# KiCad board TRX055.01.01.PB.00.00.kicad_pcb (continued)
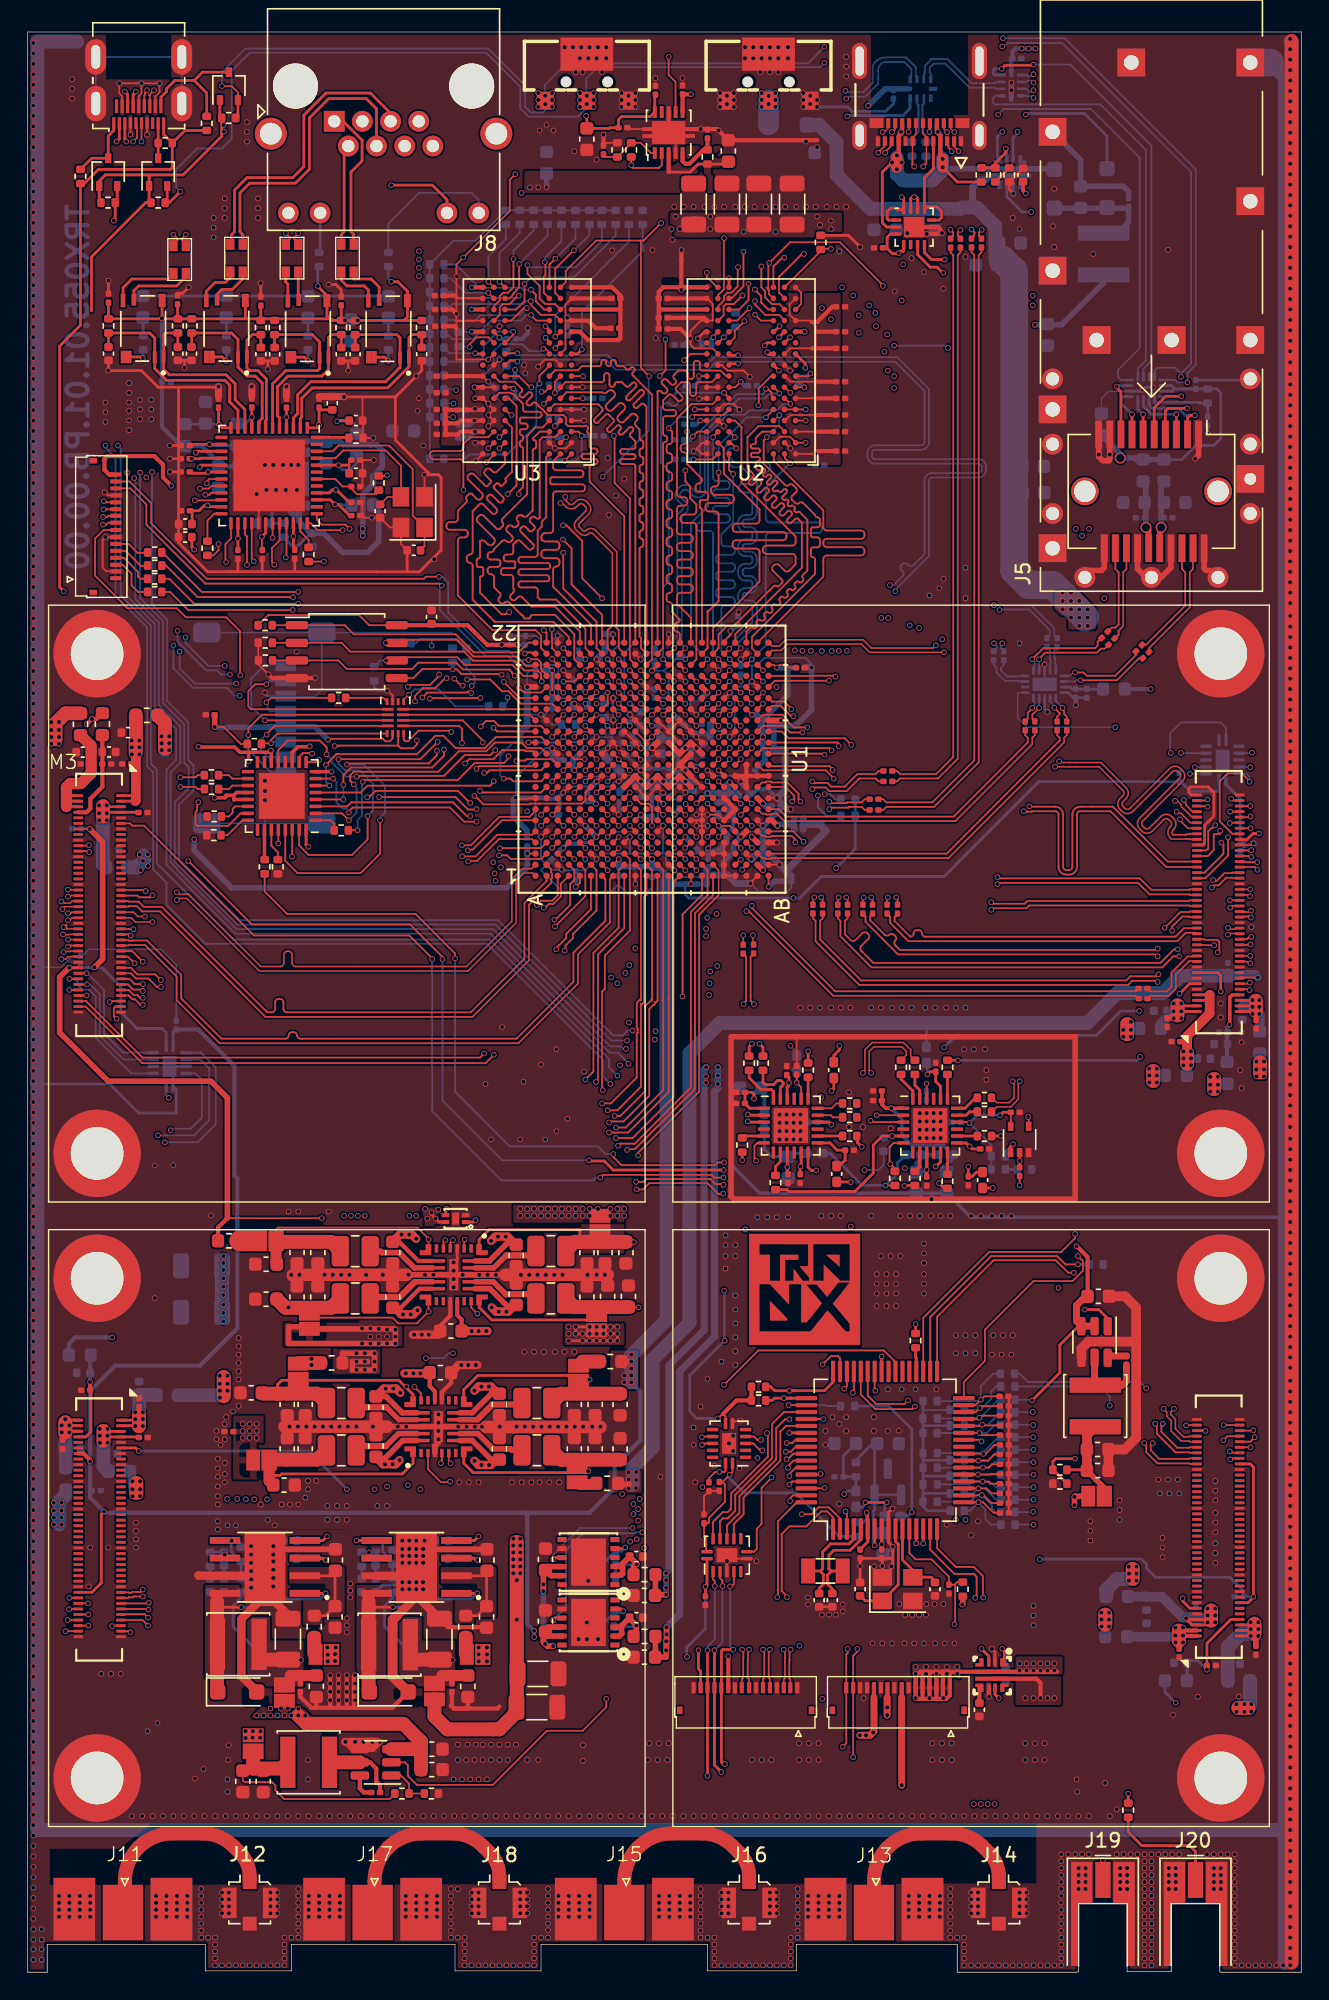
[diagram p0: board, top side]
## Library data of the parts (continued)
U18 = -: Datasheet: http://www.ti.com/lit/ds/symlink/tl431.pdf; Description: Shunt Regulator, SOT-23; LCSC: C22392283; ki_fp_filters: SOT?23*
U19 U23 U32 U33 = -: Datasheet: https://www.ti.com/lit/ds/symlink/txu0304-q1.pdf?ts=1759159308767; Description: utomotive 4-Bit Noninverting Fixed Direction Voltage-Level Translator with Schmitt- Trigger Inputs and 3-State Outputs, 3 in 1 out, Vcca = 1.08 -5.5, Vccb = 1.08 -5.5, WQFN-14; Mfr: Texas Instruments; Mfr part: TXU0304QWBQARQ1; JLCPCB Part #: C5217873; ki_fp_filters: SOIC*3.9x4.9mm*P1.27mm*
U21 U30 = -: Datasheet: https://www.diodes.com/assets/Datasheets/AP63200-AP63201-AP63203-AP63205.pdf; Description: 2A, 1.1MHz Buck DC/DC Converter, fixed 3.3V output voltage, TSOT-23-6; LCSC: C780769; ki_fp_filters: TSOT?23*
U22 = -: Datasheet: https://www.ti.com/cn/lit/gpn/tca6408a; Description: Interface:I2C；SMBus Number of I/O:8 Interrupt Output:Interrupt Output Output Type:Push-Pull Voltage - Supply:1.65V~5.5V Voltage - Supply:1.65V~5.5V Current - Output Low(IOL):- Current - Output High(IOH):- Clock Frequency:400kHz Operating Temperature:-40°C~; Manufacturer: TI(德州仪器); Supplier Part: C2649390; Supplier: LCSC; LCSC Part Name: TCA6408A具有中断输出、复位和配置寄存器的低电压8位I2C和SMBuSI/O扩展器; LCSC: C2649390
U24 = -: Datasheet: https://atta.szlcsc.com/upload/public/pdf/source/20171211/C145494_15129763470501175307.pdf; Manufacturer: VISHAY(威世); Supplier Part: C145277; Supplier: LCSC; LCSC: C145277
U25 = -: Datasheet: http://www.onsemi.com/pub/Collateral/FUSB302B-D.PDF; Description: Programmable USB Type-C Controller w/PD, I2C address 0x22, WQFN-14; LCSC: C132291; ki_fp_filters: WQFN*1EP*2.5x2.5mm*P0.5mm*
U26 = -: Datasheet: https://atta.szlcsc.com/upload/public/pdf/source/20230915/7D8D694BB252E313DA79EEEC80F7A80F.pdf; Description: Applications Function:- Protocol:USB 3.1；DP 1.3 Number of Channels:2 Voltage - Supply:1.5V~5V Voltage - Supply:1.5V~5V Data Rate:10Gbps Operating Temperature:-40°C~+85°C Operating Temperature:-40°C~+85°C; Manufacturer: onsemi(安森美); Supplier Part: C478457; Supplier: LCSC; LCSC Part Name: USB 3.1 SuperSpeed 10 Gbps 开关; LCSC: C478457
U27 U29 = -: Datasheet: https://www.ti.com/cn/lit/gpn/lm7310; Manufacturer: TI; Supplier Part: C3210761; Supplier: LCSC; LCSC Part Name: 具有输入反极性保护和过压保护功能的集成式理想二极管; LCSC: C3210761
U28 = -: Datasheet: https://www.ti.com/lit/ds/symlink/sn74lvc1g125.pdf; Description: Single Buffer Gate Tri-State, Low-Voltage CMOS; JLCPCB Part #: C7833; ki_fp_filters: SOT?23* Texas?R-PDSO-G5?DCK* Texas?R-PDSO-N5?DRL* Texas?X2SON*0.8x0.8mm*P0.48mm*
Y1 Y2 = -: Description: Four pin crystal, GND on pins 2 and 4; JLCPCB Part #: C9006; LCSC: C9006; ki_fp_filters: Crystal*
Y3 = -: Description: Two pin crystal, small symbol; JLCPCB Part #: C5213671; LCSC: C5213671; ki_fp_filters: Crystal*

## Footprints (pads in the part's own frame, mm; a bottom-side part is the same pattern mirrored in y, then rotated)
BAT-SMD_GT-BTP30003-0500A-016A-1
  rect 1.2x1.3 smd: 1(-3,1.675) 2(0,1.675) 3(3,1.675)
  rect 3.8x2.4 smd: 4(0,-1.675)
BGA-96_9.0x13.0mm_Layout2x3x16_P0.8mm
  round 0.4 smd: A1(-3.2,6) A2(-2.4,6) A3(-1.6,6) A7(1.6,6) A8(2.4,6) A9(3.2,6) B1(-3.2,5.2) B2(-2.4,5.2) B3(-1.6,5.2) B7(1.6,5.2) B8(2.4,5.2) B9(3.2,5.2) C1(-3.2,4.4) C2(-2.4,4.4) C3(-1.6,4.4) C7(1.6,4.4) C8(2.4,4.4) C9(3.2,4.4) D1(-3.2,3.6) D2(-2.4,3.6) D3(-1.6,3.6) D7(1.6,3.6) D8(2.4,3.6) D9(3.2,3.6) E1(-3.2,2.8) E2(-2.4,2.8) E3(-1.6,2.8) E7(1.6,2.8) E8(2.4,2.8) E9(3.2,2.8) F1(-3.2,2) F2(-2.4,2) F3(-1.6,2) F7(1.6,2) F8(2.4,2) F9(3.2,2) G1(-3.2,1.2) G2(-2.4,1.2) G3(-1.6,1.2) G7(1.6,1.2) G8(2.4,1.2) G9(3.2,1.2) H1(-3.2,0.4) H2(-2.4,0.4) H3(-1.6,0.4) H7(1.6,0.4) H8(2.4,0.4) H9(3.2,0.4) J1(-3.2,-0.4) J2(-2.4,-0.4) J3(-1.6,-0.4) J7(1.6,-0.4) J8(2.4,-0.4) J9(3.2,-0.4) K1(-3.2,-1.2) K2(-2.4,-1.2) K3(-1.6,-1.2) K7(1.6,-1.2) K8(2.4,-1.2) K9(3.2,-1.2) L1(-3.2,-2) L2(-2.4,-2) L3(-1.6,-2) L7(1.6,-2) L8(2.4,-2) L9(3.2,-2) M1(-3.2,-2.8) M2(-2.4,-2.8) M3(-1.6,-2.8) M7(1.6,-2.8) M8(2.4,-2.8) M9(3.2,-2.8) N1(-3.2,-3.6) N2(-2.4,-3.6) N3(-1.6,-3.6) N7(1.6,-3.6) N8(2.4,-3.6) N9(3.2,-3.6) P1(-3.2,-4.4) P2(-2.4,-4.4) P3(-1.6,-4.4) P7(1.6,-4.4) P8(2.4,-4.4) P9(3.2,-4.4) R1(-3.2,-5.2) R2(-2.4,-5.2) R3(-1.6,-5.2) R7(1.6,-5.2) R8(2.4,-5.2) R9(3.2,-5.2) T1(-3.2,-6) T2(-2.4,-6) T3(-1.6,-6) T7(1.6,-6) T8(2.4,-6) T9(3.2,-6)
C_0201_0603Metric
  rrect 0.318x0.36 smd: (-0.345,0) (0.345,0)
  rrect 0.46x0.4 smd: 1(-0.32,0) 2(0.32,0)
C_0402_1005Metric
  rrect 0.56x0.62 smd: 1(-0.48,0) 2(0.48,0)
C_0603_1608Metric
  rrect 0.9x0.95 smd: 1(-0.775,0) 2(0.775,0)
C_1206_3216Metric
  rrect 1.15x1.8 smd: 1(-1.475,0) 2(1.475,0)
CLG485XC7Z012S&slash_XC7Z015_AMD
  round 0.457 smd: A1(-8.4,8.4) A2(-7.6,8.4) A3(-6.8,8.4) A4(-6,8.4) A5(-5.2,8.4) A6(-4.4,8.4) A7(-3.6,8.4) A8(-2.8,8.4) A9(-2,8.4) A10(-1.2,8.4) A11(-0.4,8.4) A12(0.4,8.4) A13(1.2,8.4) A14(2,8.4) A15(2.8,8.4) A16(3.6,8.4) A17(4.4,8.4) A18(5.2,8.4) A19(6,8.4) A20(6.8,8.4) A21(7.6,8.4) A22(8.4,8.4) AA1(-8.4,-7.6) AA2(-7.6,-7.6) AA3(-6.8,-7.6) AA4(-6,-7.6) AA5(-5.2,-7.6) AA6(-4.4,-7.6) AA7(-3.6,-7.6) AA8(-2.8,-7.6) AA9(-2,-7.6) AA10(-1.2,-7.6) AA11(-0.4,-7.6) AA12(0.4,-7.6) AA13(1.2,-7.6) AA14(2,-7.6) AA15(2.8,-7.6) AA16(3.6,-7.6) AA17(4.4,-7.6) AA18(5.2,-7.6) AA19(6,-7.6) AA20(6.8,-7.6) AA21(7.6,-7.6) AA22(8.4,-7.6) AB1(-8.4,-8.4) AB2(-7.6,-8.4) AB3(-6.8,-8.4) AB4(-6,-8.4) AB5(-5.2,-8.4) AB6(-4.4,-8.4) AB7(-3.6,-8.4) AB8(-2.8,-8.4) AB9(-2,-8.4) AB10(-1.2,-8.4) AB11(-0.4,-8.4) AB12(0.4,-8.4) AB13(1.2,-8.4) AB14(2,-8.4) AB15(2.8,-8.4) AB16(3.6,-8.4) AB17(4.4,-8.4) AB18(5.2,-8.4) AB19(6,-8.4) AB20(6.8,-8.4) AB21(7.6,-8.4) AB22(8.4,-8.4) B1(-8.4,7.6) B2(-7.6,7.6) B3(-6.8,7.6) B4(-6,7.6) B5(-5.2,7.6) B6(-4.4,7.6) B7(-3.6,7.6) B8(-2.8,7.6) B9(-2,7.6) B10(-1.2,7.6) B11(-0.4,7.6) B12(0.4,7.6) B13(1.2,7.6) B14(2,7.6) B15(2.8,7.6) B16(3.6,7.6) B17(4.4,7.6) B18(5.2,7.6) B19(6,7.6) B20(6.8,7.6) B21(7.6,7.6) B22(8.4,7.6) C1(-8.4,6.8) C2(-7.6,6.8) C3(-6.8,6.8) C4(-6,6.8) C5(-5.2,6.8) C6(-4.4,6.8) C7(-3.6,6.8) C8(-2.8,6.8) C9(-2,6.8) C10(-1.2,6.8) C11(-0.4,6.8) C12(0.4,6.8) C13(1.2,6.8) C14(2,6.8) C15(2.8,6.8) C16(3.6,6.8) C17(4.4,6.8) C18(5.2,6.8) C19(6,6.8) C20(6.8,6.8) C21(7.6,6.8) C22(8.4,6.8) D1(-8.4,6) D2(-7.6,6) D3(-6.8,6) D4(-6,6) D5(-5.2,6) D6(-4.4,6) D7(-3.6,6) D8(-2.8,6) D9(-2,6) D10(-1.2,6) D11(-0.4,6) D12(0.4,6) D13(1.2,6) D14(2,6) D15(2.8,6) D16(3.6,6) D17(4.4,6) D18(5.2,6) D19(6,6) D20(6.8,6) D21(7.6,6) D22(8.4,6) E1(-8.4,5.2) E2(-7.6,5.2) E3(-6.8,5.2) E4(-6,5.2) E5(-5.2,5.2) E6(-4.4,5.2) E7(-3.6,5.2) E8(-2.8,5.2) E9(-2,5.2) E10(-1.2,5.2) E11(-0.4,5.2) E12(0.4,5.2) E13(1.2,5.2) E14(2,5.2) E15(2.8,5.2) E16(3.6,5.2) E17(4.4,5.2) E18(5.2,5.2) E19(6,5.2) E20(6.8,5.2) E21(7.6,5.2) E22(8.4,5.2) F1(-8.4,4.4) F2(-7.6,4.4) F3(-6.8,4.4) F4(-6,4.4) F5(-5.2,4.4) F6(-4.4,4.4) F7(-3.6,4.4) F8(-2.8,4.4) F9(-2,4.4) F10(-1.2,4.4) F11(-0.4,4.4) F12(0.4,4.4) F13(1.2,4.4) F14(2,4.4) F15(2.8,4.4) F16(3.6,4.4) F17(4.4,4.4) F18(5.2,4.4) F19(6,4.4) F20(6.8,4.4) F21(7.6,4.4) F22(8.4,4.4) G1(-8.4,3.6) G2(-7.6,3.6) G3(-6.8,3.6) G4(-6,3.6) G5(-5.2,3.6) G6(-4.4,3.6) G7(-3.6,3.6) G8(-2.8,3.6) G9(-2,3.6) G10(-1.2,3.6) G11(-0.4,3.6) G12(0.4,3.6) G13(1.2,3.6) G14(2,3.6) G15(2.8,3.6) G16(3.6,3.6) G17(4.4,3.6) G18(5.2,3.6) G19(6,3.6) G20(6.8,3.6) G21(7.6,3.6) G22(8.4,3.6) H1(-8.4,2.8) H2(-7.6,2.8) H3(-6.8,2.8) H4(-6,2.8) H5(-5.2,2.8) H6(-4.4,2.8) H7(-3.6,2.8) H8(-2.8,2.8) H9(-2,2.8) H10(-1.2,2.8) H11(-0.4,2.8) H12(0.4,2.8) H13(1.2,2.8) H14(2,2.8) H15(2.8,2.8) H16(3.6,2.8) H17(4.4,2.8) H18(5.2,2.8) H19(6,2.8) H20(6.8,2.8) H21(7.6,2.8) H22(8.4,2.8) J1(-8.4,2) J2(-7.6,2) J3(-6.8,2) J4(-6,2) J5(-5.2,2) J6(-4.4,2) J7(-3.6,2) J8(-2.8,2) J9(-2,2) J10(-1.2,2) J11(-0.4,2) J12(0.4,2) J13(1.2,2) J14(2,2) J15(2.8,2) J16(3.6,2) J17(4.4,2) J18(5.2,2) J19(6,2) J20(6.8,2) J21(7.6,2) J22(8.4,2) K1(-8.4,1.2) K2(-7.6,1.2) K3(-6.8,1.2) K4(-6,1.2) K5(-5.2,1.2) K6(-4.4,1.2) K7(-3.6,1.2) K8(-2.8,1.2) K9(-2,1.2) K10(-1.2,1.2) K11(-0.4,1.2) K12(0.4,1.2) K13(1.2,1.2) K14(2,1.2) K15(2.8,1.2) K16(3.6,1.2) K17(4.4,1.2) K18(5.2,1.2) K19(6,1.2) K20(6.8,1.2) K21(7.6,1.2) K22(8.4,1.2) L1(-8.4,0.4) L2(-7.6,0.4) L3(-6.8,0.4) L4(-6,0.4) L5(-5.2,0.4) L6(-4.4,0.4) L7(-3.6,0.4) L8(-2.8,0.4) L9(-2,0.4) L10(-1.2,0.4) L11(-0.4,0.4) L12(0.4,0.4) L13(1.2,0.4) L14(2,0.4) L15(2.8,0.4) L16(3.6,0.4) L17(4.4,0.4) L18(5.2,0.4) L19(6,0.4) L20(6.8,0.4) L21(7.6,0.4) L22(8.4,0.4) M1(-8.4,-0.4) M2(-7.6,-0.4) M3(-6.8,-0.4) M4(-6,-0.4) M5(-5.2,-0.4) M6(-4.4,-0.4) M7(-3.6,-0.4) M8(-2.8,-0.4) M9(-2,-0.4) M10(-1.2,-0.4) M11(-0.4,-0.4) M12(0.4,-0.4) M13(1.2,-0.4) M14(2,-0.4) M15(2.8,-0.4) M16(3.6,-0.4) M17(4.4,-0.4) M18(5.2,-0.4) M19(6,-0.4) M20(6.8,-0.4) M21(7.6,-0.4) M22(8.4,-0.4) N1(-8.4,-1.2) N2(-7.6,-1.2) N3(-6.8,-1.2) N4(-6,-1.2) N5(-5.2,-1.2) N6(-4.4,-1.2) N7(-3.6,-1.2) N8(-2.8,-1.2) N9(-2,-1.2) N10(-1.2,-1.2) N11(-0.4,-1.2) N12(0.4,-1.2) N13(1.2,-1.2) N14(2,-1.2) N15(2.8,-1.2) N16(3.6,-1.2) N17(4.4,-1.2) N18(5.2,-1.2) N19(6,-1.2) N20(6.8,-1.2) N21(7.6,-1.2) N22(8.4,-1.2) P1(-8.4,-2) P2(-7.6,-2) P3(-6.8,-2) P4(-6,-2) P5(-5.2,-2) P6(-4.4,-2) P7(-3.6,-2) P8(-2.8,-2) P9(-2,-2) P10(-1.2,-2) P11(-0.4,-2) P12(0.4,-2) P13(1.2,-2) P14(2,-2) P15(2.8,-2) P16(3.6,-2) P17(4.4,-2) P18(5.2,-2) P19(6,-2) P20(6.8,-2) P21(7.6,-2) P22(8.4,-2) R1(-8.4,-2.8) R2(-7.6,-2.8) R3(-6.8,-2.8) R4(-6,-2.8) R5(-5.2,-2.8) R6(-4.4,-2.8) R7(-3.6,-2.8) R8(-2.8,-2.8) R9(-2,-2.8) R10(-1.2,-2.8) R11(-0.4,-2.8) R12(0.4,-2.8) R13(1.2,-2.8) R14(2,-2.8) R15(2.8,-2.8) R16(3.6,-2.8) R17(4.4,-2.8) R18(5.2,-2.8) R19(6,-2.8) R20(6.8,-2.8) R21(7.6,-2.8) R22(8.4,-2.8) T1(-8.4,-3.6) T2(-7.6,-3.6) T3(-6.8,-3.6) T4(-6,-3.6) T5(-5.2,-3.6) T6(-4.4,-3.6) T7(-3.6,-3.6) T8(-2.8,-3.6) T9(-2,-3.6) T10(-1.2,-3.6) T11(-0.4,-3.6) T12(0.4,-3.6) T13(1.2,-3.6) T14(2,-3.6) T15(2.8,-3.6) T16(3.6,-3.6) T17(4.4,-3.6) T18(5.2,-3.6) T19(6,-3.6) T20(6.8,-3.6) T21(7.6,-3.6) T22(8.4,-3.6) U1(-8.4,-4.4) U2(-7.6,-4.4) U3(-6.8,-4.4) U4(-6,-4.4) U5(-5.2,-4.4) U6(-4.4,-4.4) U7(-3.6,-4.4) U8(-2.8,-4.4) U9(-2,-4.4) U10(-1.2,-4.4) U11(-0.4,-4.4) U12(0.4,-4.4) U13(1.2,-4.4) U14(2,-4.4) U15(2.8,-4.4) U16(3.6,-4.4) U17(4.4,-4.4) U18(5.2,-4.4) U19(6,-4.4) U20(6.8,-4.4) U21(7.6,-4.4) U22(8.4,-4.4) V1(-8.4,-5.2) V2(-7.6,-5.2) V3(-6.8,-5.2) V4(-6,-5.2) V5(-5.2,-5.2) V6(-4.4,-5.2) V7(-3.6,-5.2) V8(-2.8,-5.2) V9(-2,-5.2) V10(-1.2,-5.2) V11(-0.4,-5.2) V12(0.4,-5.2) V13(1.2,-5.2) V14(2,-5.2) V15(2.8,-5.2) V16(3.6,-5.2) V17(4.4,-5.2) V18(5.2,-5.2) V19(6,-5.2) V20(6.8,-5.2) V21(7.6,-5.2) V22(8.4,-5.2) W1(-8.4,-6) W2(-7.6,-6) W3(-6.8,-6) W4(-6,-6) W5(-5.2,-6) W6(-4.4,-6) W7(-3.6,-6) W8(-2.8,-6) W9(-2,-6) W10(-1.2,-6) W11(-0.4,-6) W12(0.4,-6) W13(1.2,-6) W14(2,-6) W15(2.8,-6) W16(3.6,-6) W17(4.4,-6) W18(5.2,-6) W19(6,-6) W20(6.8,-6) W21(7.6,-6) W22(8.4,-6) Y1(-8.4,-6.8) Y2(-7.6,-6.8) Y3(-6.8,-6.8) Y4(-6,-6.8) Y5(-5.2,-6.8) Y6(-4.4,-6.8) Y7(-3.6,-6.8) Y8(-2.8,-6.8) Y9(-2,-6.8) Y10(-1.2,-6.8) Y11(-0.4,-6.8) Y12(0.4,-6.8) Y13(1.2,-6.8) Y14(2,-6.8) Y15(2.8,-6.8) Y16(3.6,-6.8) Y17(4.4,-6.8) Y18(5.2,-6.8) Y19(6,-6.8) Y20(6.8,-6.8) Y21(7.6,-6.8) Y22(8.4,-6.8)
Connector_SFP_and_Cage
  round 2 hole 1.55 unplated: (-6.2,4.8) (-6.2,-4.8)
  rect 2x0.5 smd: 1(-10.3,3.4) 2(-10.3,2.6) 3(-10.3,1.8) 4(-10.3,1) 5(-10.3,0.2) 6(-10.3,-0.6) 7(-10.3,-1.4) 8(-10.3,-2.2) 9(-10.3,-3) 10(-10.3,-3.8) 11(-2.1,-3.4) 12(-2.1,-2.6) 13(-2.1,-1.8) 14(-2.1,-1) 15(-2.1,-0.2) 16(-2.1,0.6) 17(-2.1,1.4) 18(-2.1,2.2) 19(-2.1,3) 20(-2.1,3.8)
  rect 2x2 hole 1.05: CAGE(-37.1,7.125) CAGE(-37.1,-1.45) CAGE(-32.1,-7.125) CAGE(-27.1,7.125) CAGE(-22.1,-7.125) CAGE(-17.1,7.125) CAGE(-17.1,1.45) CAGE(-17.1,-3.95) CAGE(-12.1,-7.125) CAGE(-2.1,-7.125)
  round 1.5 hole 0.95: CAGE(-14.3,7.125) CAGE(-14.3,-7.125) CAGE(-9.6,7.125) CAGE(-9.6,-7.125) CAGE(-4.6,7.125) CAGE(-4.6,-7.125) CAGE(0,4.8) CAGE(0,0) CAGE(0,-4.8)
  rect 2x2 hole 0.85: CAGE(-7.1,7.125)
CONV_TPS54531DDAR
  rect 2.2x0.5 smd: 1(-2.875,1.905) 2(-2.875,0.635) 3(-2.875,-0.635) 4(-2.875,-1.905)
  rrect 2.2x0.5 smd: 5(2.875,-1.905) 6(2.875,-0.635) 7(2.875,0.635) 8(2.875,1.905)
  rect 2.95x4.9 smd: 9(0,0.005)
Crystal_SMD_3215-2Pin_3.2x1.5mm
  rect 1x1.8 smd: 1(1.25,0) 2(-1.25,0)
Crystal_SMD_3225-4Pin_3.2x2.5mm
  rect 1.4x1.2 smd: 1(-1.1,-0.85) 2(1.1,-0.85) 3(1.1,0.85) 4(-1.1,0.85)
D_SOD-123F
  rrect 1.1x1.1 smd: 1(-1.4,0) 2(1.4,0)
DFN-12_L4.0-W4.0-P0.65-BL-EP3.4
  rect 0.364x0.665 smd: 1(-1.625,-1.907) 2(-0.975,-1.907) 3(-0.325,-1.907) 4(0.325,-1.907) 5(0.975,-1.907) 6(1.625,-1.907) 7(1.625,1.907) 8(0.975,1.907) 9(0.325,1.907) 10(-0.325,1.907) 11(-0.975,1.907) 12(-1.625,1.907)
  rect 3.4x2.5 smd: 13(0,0)
DHVQFN-14-1EP_2.5x3mm_P0.5mm_EP1x1.5mm
  rrect 0.81x1.21 smd: (0,0)
  rrect 0.25x0.825 smd: 1(-0.25,1.438) 7(-0.25,-1.438) 8(0.25,-1.438) 14(0.25,1.438)
  rrect 0.825x0.25 smd: 2(-1.188,1) 3(-1.188,0.5) 4(-1.188,0) 5(-1.188,-0.5) 6(-1.188,-1) 9(1.188,-1) 10(1.188,-0.5) 11(1.188,0) 12(1.188,0.5) 13(1.188,1)
  rect 1x1.5 smd: 15(0,0)
EXLA1V04
  rect 1.1x3.7 smd: 1(-1.5,0) 2(1.5,0)
FH34SRJ-16S-0.5SH
  rect 0.3x0.8 smd: 1(3.72,0) 2(3.22,0) 3(2.75,0) 4(2.25,0) 5(1.75,0) 6(1.25,0) 7(0.75,0) 8(0.25,0) 9(-0.28,0) 10(-0.78,0) 11(-1.25,0) 12(-1.75,0) 13(-2.25,0) 14(-2.75,0) 15(-3.25,0) 16(-3.75,0)
  rect 0.4x0.55 smd: MP(-4.75,-1.625) MP(4.75,-1.625)
HDMI_Micro-D_Molex_46765-1x01
  rect 0.23x0.85 smd: 1(1.8,4.775) 3(1.4,4.775) 5(1,4.775) 7(0.6,4.775) 9(0.2,4.775) 11(-0.2,4.775) 13(-0.6,4.775) 15(-1,4.775) 17(-1.4,4.775) 19(-1.8,4.775)
  rect 0.23x1 smd: 2(1.6,3.55) 4(1.2,3.55) 6(0.8,3.55) 8(0.4,3.55) 10(0,3.55) 12(-0.4,3.55) 14(-0.8,3.55) 16(-1.2,3.55) 18(-1.6,3.55)
  oval 1.5x2.55 hole 0.65x1.7: SH(-3.1,3.36) SH(-3.1,0) SH(3.1,3.36) SH(3.1,0)
IC_TPD6E001RSER
  rrect 0.55x0.25 smd: 1(-0.675,0.75) 4(-0.675,-0.75) 6(0.675,-0.75) 9(0.675,0.75)
  rrect 0.55x0.2 smd: 2(-0.675,0.25) 3(-0.675,-0.25) 7(0.675,-0.25) 8(0.675,0.25)
  rrect 0.3x0.6 smd: 5(0,-0.9) 10(0,0.9)
L_0402_1005Metric_Pad0.77x0.64mm_HandSolder
  rrect 0.765x0.64 smd: 1(-0.573,0) 2(0.573,0)
L_0603_1608Metric
  rrect 0.875x0.95 smd: 1(-0.787,0) 2(0.787,0)
L_1008_2520Metric
  rrect 1.25x2.2 smd: 1(-1.075,0) 2(1.075,0)
LQFP-64_10x10mm_P0.5mm
  rrect 1.55x0.3 smd: 1(-5.675,3.75) 2(-5.675,3.25) 3(-5.675,2.75) 4(-5.675,2.25) 5(-5.675,1.75) 6(-5.675,1.25) 7(-5.675,0.75) 8(-5.675,0.25) 9(-5.675,-0.25) 10(-5.675,-0.75) 11(-5.675,-1.25) 12(-5.675,-1.75) 13(-5.675,-2.25) 14(-5.675,-2.75) 15(-5.675,-3.25) 16(-5.675,-3.75) 33(5.675,-3.75) 34(5.675,-3.25) 35(5.675,-2.75) 36(5.675,-2.25) 37(5.675,-1.75) 38(5.675,-1.25) 39(5.675,-0.75) 40(5.675,-0.25) 41(5.675,0.25) 42(5.675,0.75) 43(5.675,1.25) 44(5.675,1.75) 45(5.675,2.25) 46(5.675,2.75) 47(5.675,3.25) 48(5.675,3.75)
  rrect 0.3x1.55 smd: 17(-3.75,-5.675) 18(-3.25,-5.675) 19(-2.75,-5.675) 20(-2.25,-5.675) 21(-1.75,-5.675) 22(-1.25,-5.675) 23(-0.75,-5.675) 24(-0.25,-5.675) 25(0.25,-5.675) 26(0.75,-5.675) 27(1.25,-5.675) 28(1.75,-5.675) 29(2.25,-5.675) 30(2.75,-5.675) 31(3.25,-5.675) 32(3.75,-5.675) 49(3.75,5.675) 50(3.25,5.675) 51(2.75,5.675) 52(2.25,5.675) 53(1.75,5.675) 54(1.25,5.675) 55(0.75,5.675) 56(0.25,5.675) 57(-0.25,5.675) 58(-0.75,5.675) 59(-1.25,5.675) 60(-1.75,5.675) 61(-2.25,5.675) 62(-2.75,5.675) 63(-3.25,5.675) 64(-3.75,5.675)
microSD_HC_Molex_47219-2001
  rect 0.8x1.5 smd: 1(-3.205,2.1) 2(-2.105,2.1) 3(-1.005,2.1) 4(0.095,2.1) 5(1.195,2.1) 6(2.295,2.1) 7(3.395,2.1) 8(4.495,2.1)
  rrect 1.45x2 smd: 9(-6.875,-3.6) 9(-6.875,4.7) 9(6.875,-3.6) 9(6.875,4.7)
MMCX_Molex_73415-0961_Horizontal_1.6mm-PCB
  rect 2.6x1.1 smd: 1(2.45,0)
  custom 7.5x1.55 smd: 2(2.25,1.525) 2(2.25,-1.525)
module_sdr_kit_base
  rrect 0.7x0.21 smd: 1(-16.28,7.775) 2(-19.36,7.775) 3(-16.28,7.375) 4(-19.36,7.375) 5(-16.28,6.975) 6(-19.36,6.975) 7(-16.28,6.575) 8(-19.36,6.575) 9(-16.28,6.175) 10(-19.36,6.175) 11(-16.28,5.775) 12(-19.36,5.775) 13(-16.28,5.375) 14(-19.36,5.375) 15(-16.28,4.975) 16(-19.36,4.975) 17(-16.28,4.575) 18(-19.36,4.575) 19(-16.28,4.175) 20(-19.36,4.175) 21(-16.28,3.775) 22(-19.36,3.775) 23(-16.28,3.375) 24(-19.36,3.375) 25(-16.28,2.975) 26(-19.36,2.975) 27(-16.28,2.575) 28(-19.36,2.575) 29(-16.28,2.175) 30(-19.36,2.175) 31(-16.28,1.775) 32(-19.36,1.775) 33(-16.28,1.375) 34(-19.36,1.375) 35(-16.28,0.975) 36(-19.36,0.975) 37(-16.28,0.575) 38(-19.36,0.575) 39(-16.28,0.175) 40(-19.36,0.175) 41(-16.28,-0.225) 42(-19.36,-0.225) 43(-16.28,-0.625) 44(-19.36,-0.625) 45(-16.28,-1.025) 46(-19.36,-1.025) 47(-16.28,-1.425) 48(-19.36,-1.425) 49(-16.28,-1.825) 50(-19.36,-1.825) 51(-16.28,-2.225) 52(-19.36,-2.225) 53(-16.28,-2.625) 54(-19.36,-2.625) 55(-16.28,-3.025) 56(-19.36,-3.025) 57(-16.28,-3.425) 58(-19.36,-3.425) 59(-16.28,-3.825) 60(-19.36,-3.825) 61(-16.28,-4.225) 62(-19.36,-4.225) 63(-16.28,-4.625) 64(-19.36,-4.625) 65(-16.28,-5.025) 66(-19.36,-5.025) 67(-16.28,-5.425) 68(-19.36,-5.425) 69(-16.28,-5.825) 70(-19.36,-5.825) 71(-16.28,-6.225) 72(-19.36,-6.225) 73(-16.28,-6.625) 74(-19.36,-6.625) 75(-16.28,-7.025) 76(-19.36,-7.025) 77(-16.28,-7.425) 78(-19.36,-7.425) 79(-16.28,-7.825) 80(-19.36,-7.825)
  round 6.3 hole 3.8: SH0(-18,18) SH1(-18,-18)
MOLEX_1054500101
  rect 0.298x0.7 smd: A1(-3,7.54) A2(-2.5,7.54) A3(-2,7.54) A4(-1.5,7.54) A5(-1,7.54) A6(-0.5,7.54) A7(0.5,7.54) A8(1,7.54) A9(1.5,7.54) A10(2,7.54) A11(2.5,7.54) A12(3,7.54) B2(2.25,6.24) B3(1.75,6.24) B4(1.25,6.24) B5(0.75,6.24) B6(0.25,6.24) B7(-0.25,6.24) B8(-0.75,6.24) B9(-1.25,6.24) B10(-1.75,6.24) B11(-2.25,6.24)
  rect 0.998x0.7 smd: B1(3.1,6.24) B12(-3.1,6.24)
  oval 1.036x2.1 hole 0.6x1.6: SH1(-4.32,7.13) SH2(4.32,7.13)
  oval 1.1x2.6 hole 0.6x2.1: SH3(-4.32,1.77) SH4(4.32,1.77)
QFN-32-1EP_5x5mm_P0.5mm_EP3.3x3.3mm
  rrect 0.89x0.89 smd: (-1.1,1.1) (-1.1,0) (-1.1,-1.1) (0,1.1) (0,0) (0,-1.1) (1.1,1.1) (1.1,0) (1.1,-1.1)
  rrect 0.875x0.25 smd: 1(-2.438,1.75) 2(-2.438,1.25) 3(-2.438,0.75) 4(-2.438,0.25) 5(-2.438,-0.25) 6(-2.438,-0.75) 7(-2.438,-1.25) 8(-2.438,-1.75) 17(2.438,-1.75) 18(2.438,-1.25) 19(2.438,-0.75) 20(2.438,-0.25) 21(2.438,0.25) 22(2.438,0.75) 23(2.438,1.25) 24(2.438,1.75)
  rrect 0.25x0.875 smd: 9(-1.75,-2.438) 10(-1.25,-2.438) 11(-0.75,-2.438) 12(-0.25,-2.438) 13(0.25,-2.438) 14(0.75,-2.438) 15(1.25,-2.438) 16(1.75,-2.438) 25(1.75,2.438) 26(1.25,2.438) 27(0.75,2.438) 28(0.25,2.438) 29(-0.25,2.438) 30(-0.75,2.438) 31(-1.25,2.438) 32(-1.75,2.438)
  rect 3.3x3.3 smd: 33(0,0)
QFN-48-1EP_7x7mm_P0.5mm_EP5.15x5.15mm
  rrect 1.04x1.04 smd: (-1.935,1.935) (-1.935,0.645) (-1.935,-0.645) (-1.935,-1.935) (-0.645,1.935) (-0.645,0.645) (-0.645,-0.645) (-0.645,-1.935) (0.645,1.935) (0.645,0.645) (0.645,-0.645) (0.645,-1.935) (1.935,1.935) (1.935,0.645) (1.935,-0.645) (1.935,-1.935)
  rrect 0.875x0.25 smd: 1(-3.438,2.75) 2(-3.438,2.25) 3(-3.438,1.75) 4(-3.438,1.25) 5(-3.438,0.75) 6(-3.438,0.25) 7(-3.438,-0.25) 8(-3.438,-0.75) 9(-3.438,-1.25) 10(-3.438,-1.75) 11(-3.438,-2.25) 12(-3.438,-2.75) 25(3.438,-2.75) 26(3.438,-2.25) 27(3.438,-1.75) 28(3.438,-1.25) 29(3.438,-0.75) 30(3.438,-0.25) 31(3.438,0.25) 32(3.438,0.75) 33(3.438,1.25) 34(3.438,1.75) 35(3.438,2.25) 36(3.438,2.75)
  rrect 0.25x0.875 smd: 13(-2.75,-3.438) 14(-2.25,-3.438) 15(-1.75,-3.438) 16(-1.25,-3.438) 17(-0.75,-3.438) 18(-0.25,-3.438) 19(0.25,-3.438) 20(0.75,-3.438) 21(1.25,-3.438) 22(1.75,-3.438) 23(2.25,-3.438) 24(2.75,-3.438) 37(2.75,3.438) 38(2.25,3.438) 39(1.75,3.438) 40(1.25,3.438) 41(0.75,3.438) 42(0.25,3.438) 43(-0.25,3.438) 44(-0.75,3.438) 45(-1.25,3.438) 46(-1.75,3.438) 47(-2.25,3.438) 48(-2.75,3.438)
  rect 5.15x5.15 smd: 49(0,0)
R_0402_1005Metric
  rrect 0.54x0.64 smd: 1(-0.51,0) 2(0.51,0)
RJ45_Amphenol_RJHSE538X
  round 3.25 hole 3.25 unplated: (-2.79,2.54) (9.91,2.54)
  rect 1.5x1.5 hole 0.89: 1(0,0)
  round 1.5 hole 0.89: 2(1.016,-1.78) 3(2.032,0) 4(3.048,-1.78) 5(4.064,0) 6(5.08,-1.78) 7(6.096,0) 8(7.112,-1.78) 9(-3.3,-6.6) 10(-1.01,-6.6) 11(8.13,-6.6) 12(10.42,-6.6)
  round 2.3 hole 1.57: SH(-4.57,-0.89) SH(11.69,-0.89)
sma-edge
  rect 4x2.9 smd: 1(-2,0)
  rect 4.5x3 smd: 2(-2.25,3.5) 2(-2.25,-3.5)
  rect 4.5x3 smd far side: 2(-2.25,3.5) 2(-2.25,-3.5)
SOIC-8_5.23x5.23mm_P1.27mm
  rrect 1.6x0.6 smd: 1(-3.6,1.905) 2(-3.6,0.635) 3(-3.6,-0.635) 4(-3.6,-1.905) 5(3.6,-1.905) 6(3.6,-0.635) 7(3.6,0.635) 8(3.6,1.905)
SolderJumper-2_P1.3mm_open_Pad1.0x1.5mm
  rect 1.1x1.5 smd: 1(-0.6,0)
  rect 1x1.5 smd: 2(0.55,0)
SOT-23
  rrect 1.475x0.6 smd: 1(-0.938,0.95) 2(-0.938,-0.95) 3(0.938,0)
SOT-323_SC-70
  rect 0.7x0.45 smd: 1(-1,0.65) 2(-1,-0.65) 3(1,0)
SOT-353_SC-70-5
  rect 0.65x0.4 smd: 1(-0.95,0.65) 2(-0.95,0) 3(-0.95,-0.65) 4(0.95,-0.65) 5(0.95,0.65)
SRF2012A-801Y
  rect 0.8x0.6 smd: 1(-1,0.4) 2(1,0.4) 3(1,-0.5) 4(-1,-0.5)
TMLP-18_L2.8-W2.0-P0.40-BL-EP
  rect 0.2x0.595 smd: 1(-0.8,-1) 2(-0.4,-1) 3(0,-1) 4(0.4,-1) 5(0.8,-1) 10(0.8,1) 11(0.4,1) 12(0,1) 13(-0.4,1) 14(-0.8,1)
  rect 0.595x0.2 smd: 6(1.4,-0.6) 7(1.4,-0.2) 8(1.4,0.2) 9(1.4,0.6) 15(-1.4,0.6) 16(-1.4,0.2) 17(-1.4,-0.2) 18(-1.4,-0.6)
  rect 1.75x0.95 smd: 19(0,0)
TSOT-23-6
  rrect 1.325x0.6 smd: 1(-1.137,0.95) 2(-1.137,0) 3(-1.137,-0.95) 4(1.137,-0.95) 5(1.137,0) 6(1.137,0.95)
U.FL_Molex_MCRF_73412-0110_Vertical
  rect 1x1 smd: 1(0,-1.5) 2(0,1.5)
  rect 1.05x2.2 smd: 2(-1.475,0) 2(1.475,0)
UDFN-5_L1.6-W1.2-P0.50-BL-EP
  rect 0.3x0.55 smd: 1(-0.25,-0.73) 2(0.25,-0.73) 3(0.25,0.73) 4(-0.25,0.73)
  rect 0.86x0.5 smd: 5(0,0)
UQFN-16_L2.6-W1.8-P0.40-BL
  rect 0.2x0.765 smd: 1(-0.6,-0.782)
  rect 0.2x0.665 smd: 2(-0.2,-0.833) 3(0.2,-0.833) 4(0.6,-0.833) 9(0.6,0.833) 10(0.2,0.833) 11(-0.2,0.833) 12(-0.6,0.833)
  rect 0.665x0.2 smd: 5(1.232,-0.6) 6(1.232,-0.2) 7(1.232,0.2) 8(1.232,0.6) 13(-1.232,0.6) 14(-1.232,0.2) 15(-1.232,-0.2) 16(-1.232,-0.6)
VQFN-10_L2.0-W2.0-P0.45-TL
  custom 0.6x0.6 smd: 1(-0.915,0.9) 4(-0.905,-0.9) 7(0.915,-0.9) 10(0.915,0.9)
  rect 0.6x0.25 smd: 2(-0.905,0.225) 3(-0.905,-0.225) 8(0.905,-0.225) 9(0.905,0.225)
  rect 0.3x2.4 smd: 5(-0.235,0) 6(0.265,0)
VQFN-24-1EP_4x4mm_P0.5mm_EP2.5x2.5mm
  rrect 1.01x1.01 smd: (-0.625,0.625) (-0.625,-0.625) (0.625,0.625) (0.625,-0.625)
  rrect 0.875x0.25 smd: 1(-1.938,1.25) 2(-1.938,0.75) 3(-1.938,0.25) 4(-1.938,-0.25) 5(-1.938,-0.75) 6(-1.938,-1.25) 13(1.938,-1.25) 14(1.938,-0.75) 15(1.938,-0.25) 16(1.938,0.25) 17(1.938,0.75) 18(1.938,1.25)
  rrect 0.25x0.875 smd: 7(-1.25,-1.938) 8(-0.75,-1.938) 9(-0.25,-1.938) 10(0.25,-1.938) 11(0.75,-1.938) 12(1.25,-1.938) 19(1.25,1.938) 20(0.75,1.938) 21(0.25,1.938) 22(-0.25,1.938) 23(-0.75,1.938) 24(-1.25,1.938)
  rect 2.5x2.5 smd: 25(0,0)
VREG_LP87524JRNFRQ1
  custom 0.785x0.835 smd: 1(-1.6,1.825) 8(-1.6,-1.825) 14(1.6,-1.825) 21(1.6,1.825)
  rect 0.6x0.25 smd: 2(-1.9,1.25) 3(-1.9,0.75) 4(-1.9,0.25) 5(-1.9,-0.25) 6(-1.9,-0.75) 7(-1.9,-1.25) 15(1.9,-1.25) 16(1.9,-0.75) 17(1.9,-0.25) 18(1.9,0.25) 19(1.9,0.75) 20(1.9,1.25)
  rect 0.25x1.82 smd: 9(-1,-1.54) 10(-0.5,-1.54) 11(0,-1.54) 12(0.5,-1.54) 13(1,-1.54) 22(1,1.54) 23(0.5,1.54) 24(0,1.54) 25(-0.5,1.54) 26(-1,1.54)
  rect 2.24x0.66 smd: 27(0,0)
VSON-10-1EP_3x3mm_P0.5mm_EP1.65x2.4mm
  rect 0.64x0.64 smd: (-0.412,0.8) (-0.412,0) (-0.412,-0.8) (0.412,0.8) (0.412,0) (0.412,-0.8)
  rect 0.85x0.28 smd: 1(-1.475,1) 2(-1.475,0.5) 3(-1.475,0) 4(-1.475,-0.5) 5(-1.475,-1) 6(1.475,-1) 7(1.475,-0.5) 8(1.475,0) 9(1.475,0.5) 10(1.475,1)
  rect 0.28x0.7 smd: 11(-0.25,1.55) 11(-0.25,-1.55) 11(0.25,1.55) 11(0.25,-1.55)
  rect 1.65x2.4 smd: 11(0,0)
WQFN-14-1EP_2.5x2.5mm_P0.5mm_EP1.45x1.45mm
  rrect 0.58x0.58 smd: (-0.36,0.36) (-0.36,-0.36) (0.36,0.36) (0.36,-0.36)
  rrect 0.675x0.25 smd: 1(-1.262,0.5) 2(-1.262,0) 3(-1.262,-0.5) 8(1.262,-0.5) 9(1.262,0) 10(1.262,0.5)
  rrect 0.25x0.675 smd: 4(-0.75,-1.262) 5(-0.25,-1.262) 6(0.25,-1.262) 7(0.75,-1.262) 11(0.75,1.262) 12(0.25,1.262) 13(-0.25,1.262) 14(-0.75,1.262)
  rect 1.45x1.45 smd: 15(0,0)
XFMR_SM453229-231N7Y
  rect 0.96x0.27 smd: 1(-2.02,-1.48)
  rect 0.85x0.28 smd: 2(-2.075,-0.835)
  rect 0.9x0.385 smd: 3(-2.05,1.038) 4(-2.05,1.423)
  rect 0.95x0.5 smd: 5(2.025,-1.365)
  rect 0.85x0.34 smd: 6(2.075,0.665)
  rect 0.97x0.33 smd: 7(2.015,1.45)
XQFN16
  rect 0.85x0.2 smd: 1(-0.55,0.6) 2(-0.55,0.2) 3(-0.55,-0.2) 4(-0.55,-0.6) 9(0.55,-0.6) 10(0.55,-0.2) 11(0.55,0.2) 12(0.55,0.6)
  rect 0.2x0.5 smd: 5(-0.6,-1.15) 6(-0.2,-1.15) 7(0.2,-1.15) 8(0.6,-1.15) 13(0.6,1.15) 14(0.2,1.15) 15(-0.2,1.15) 16(-0.6,1.15)
